# Altium PCB Modulo_Pisca_Vidros_PCB.PcbDoc
Units mil, origin at the board's own origin, x right, y up, seen from the top; angles counter-clockwise.
Board outline 2204.72 x 2775.59 mil, 2 copper layers (Top Layer, Bottom Layer); 38 components, 40 nets, 124 pads, 31 vias.
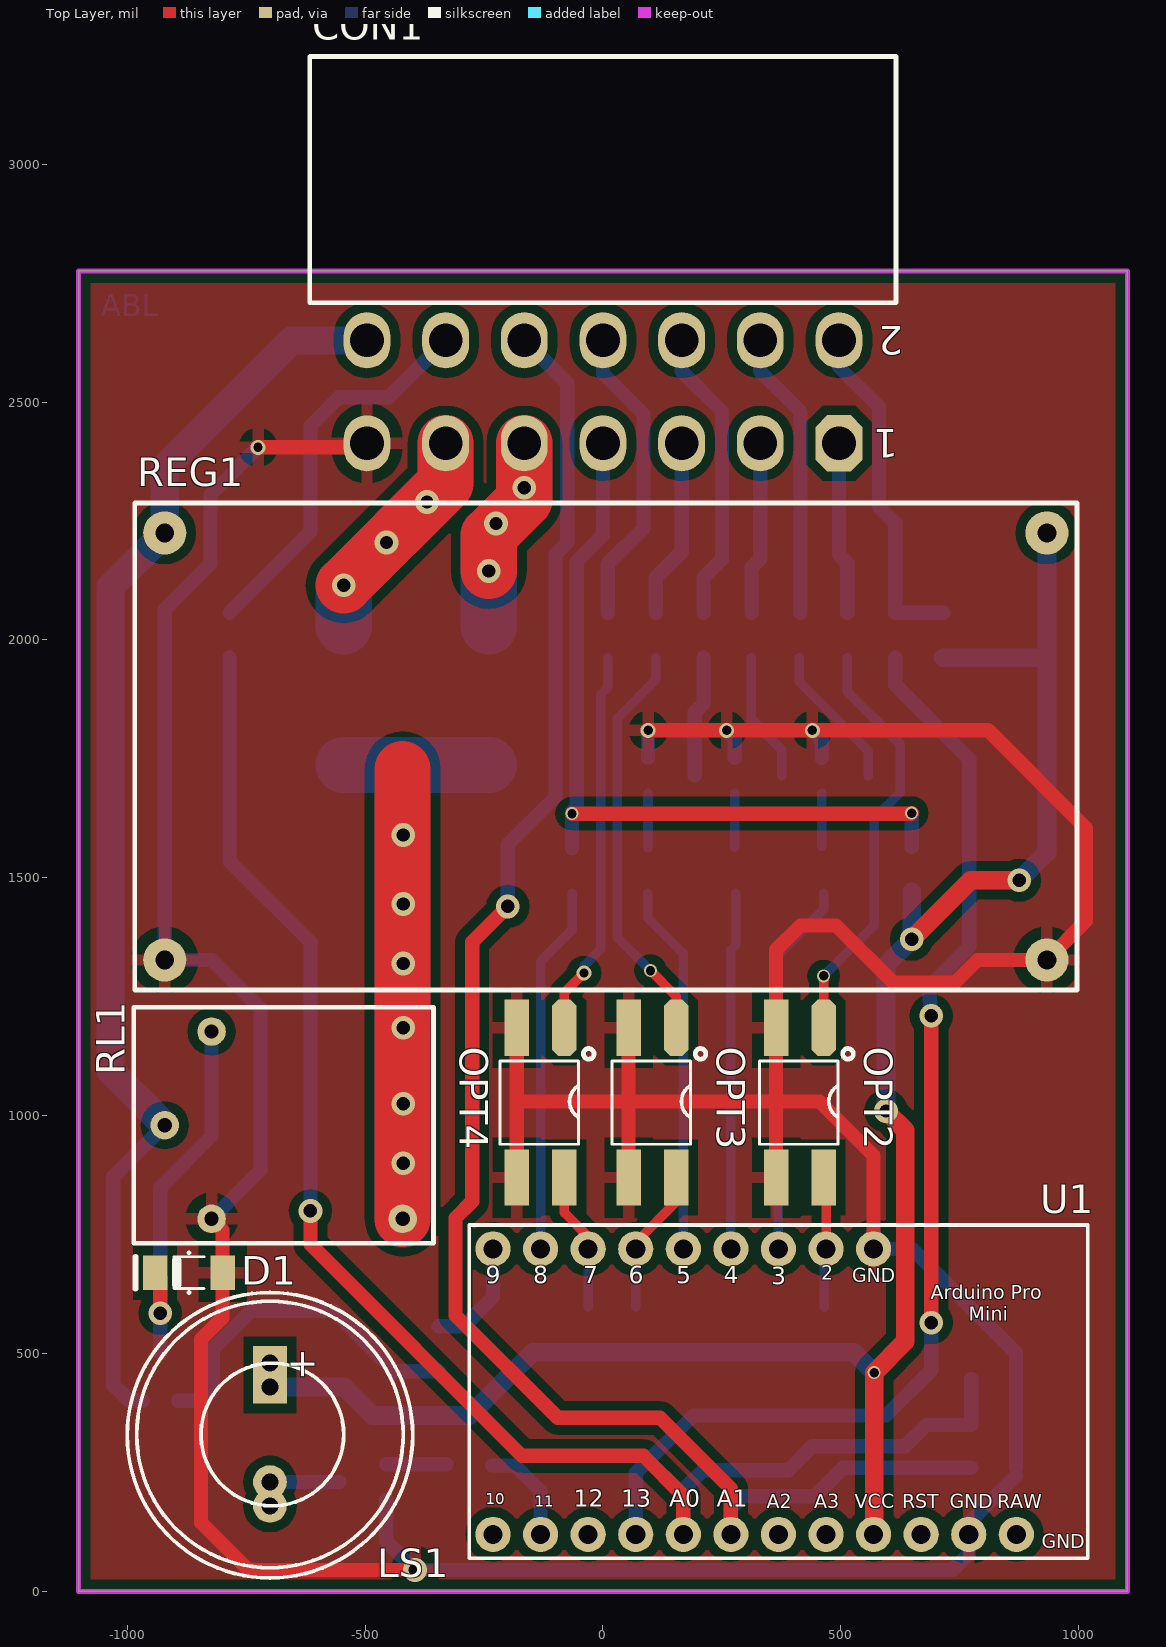
[diagram p0: Top Layer view]
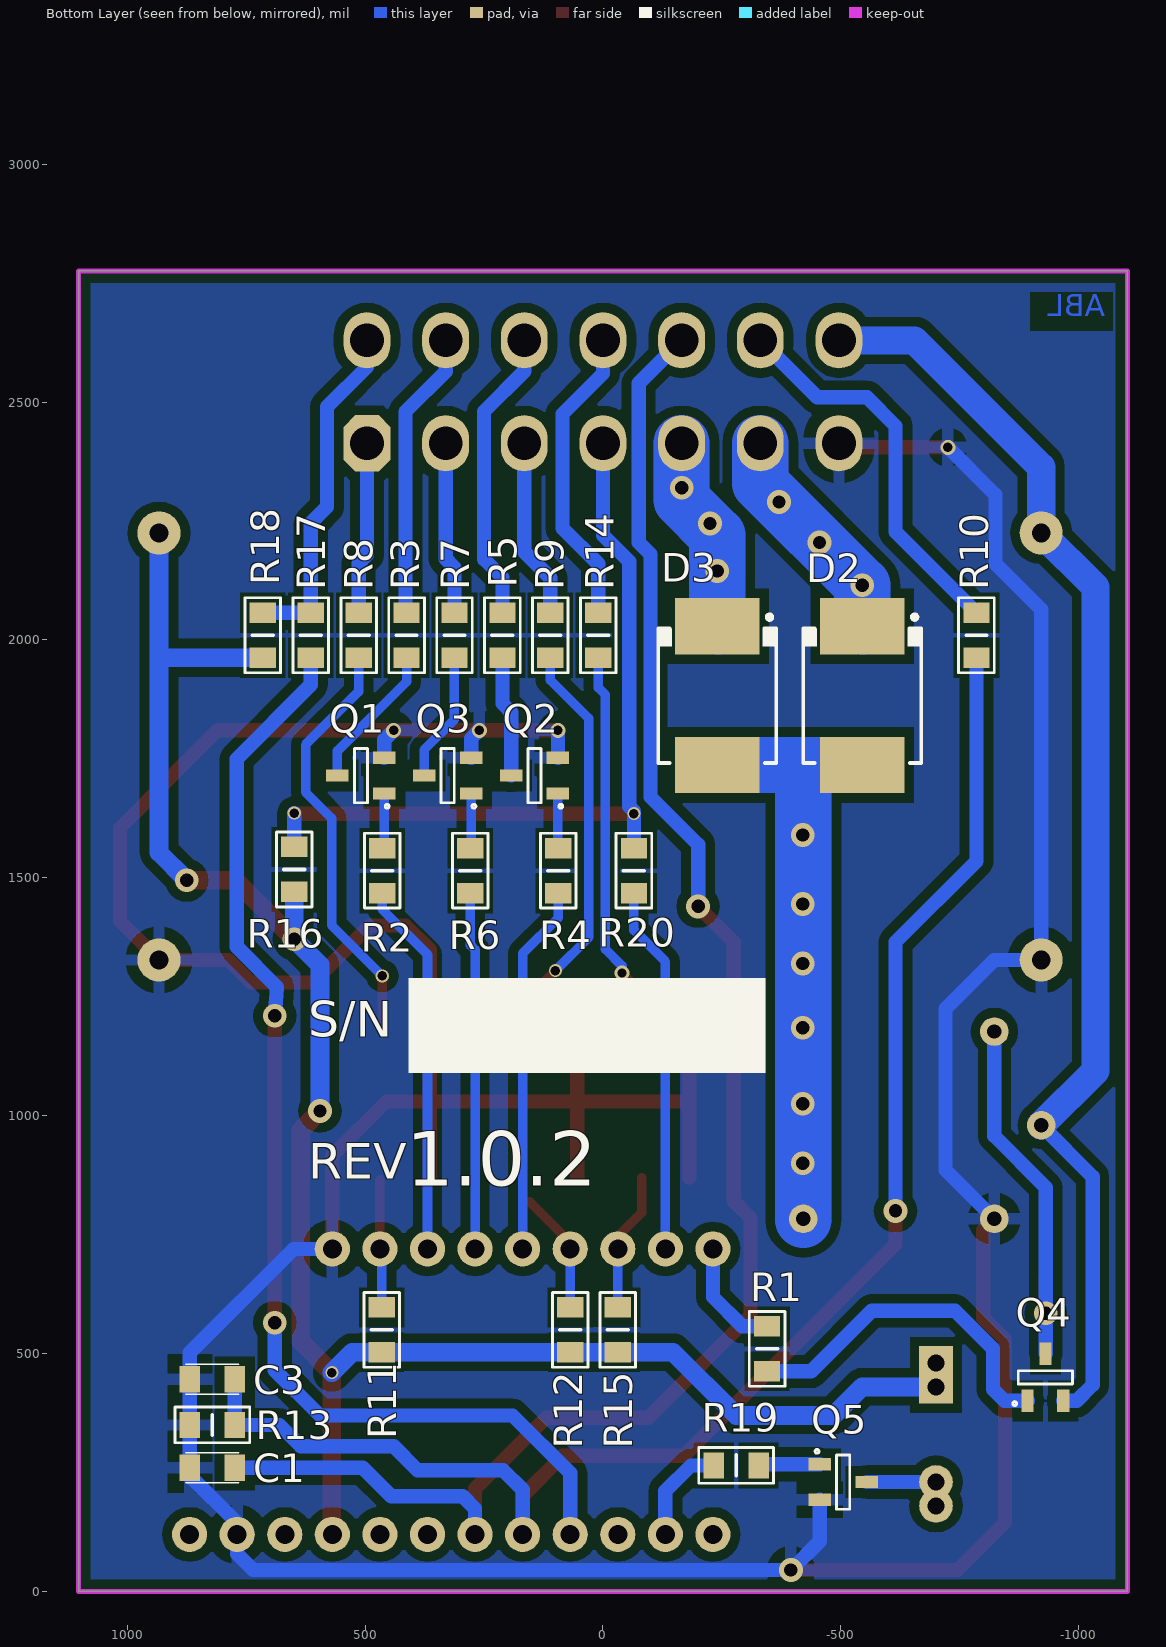
[diagram p1: Bottom Layer view, seen from below]
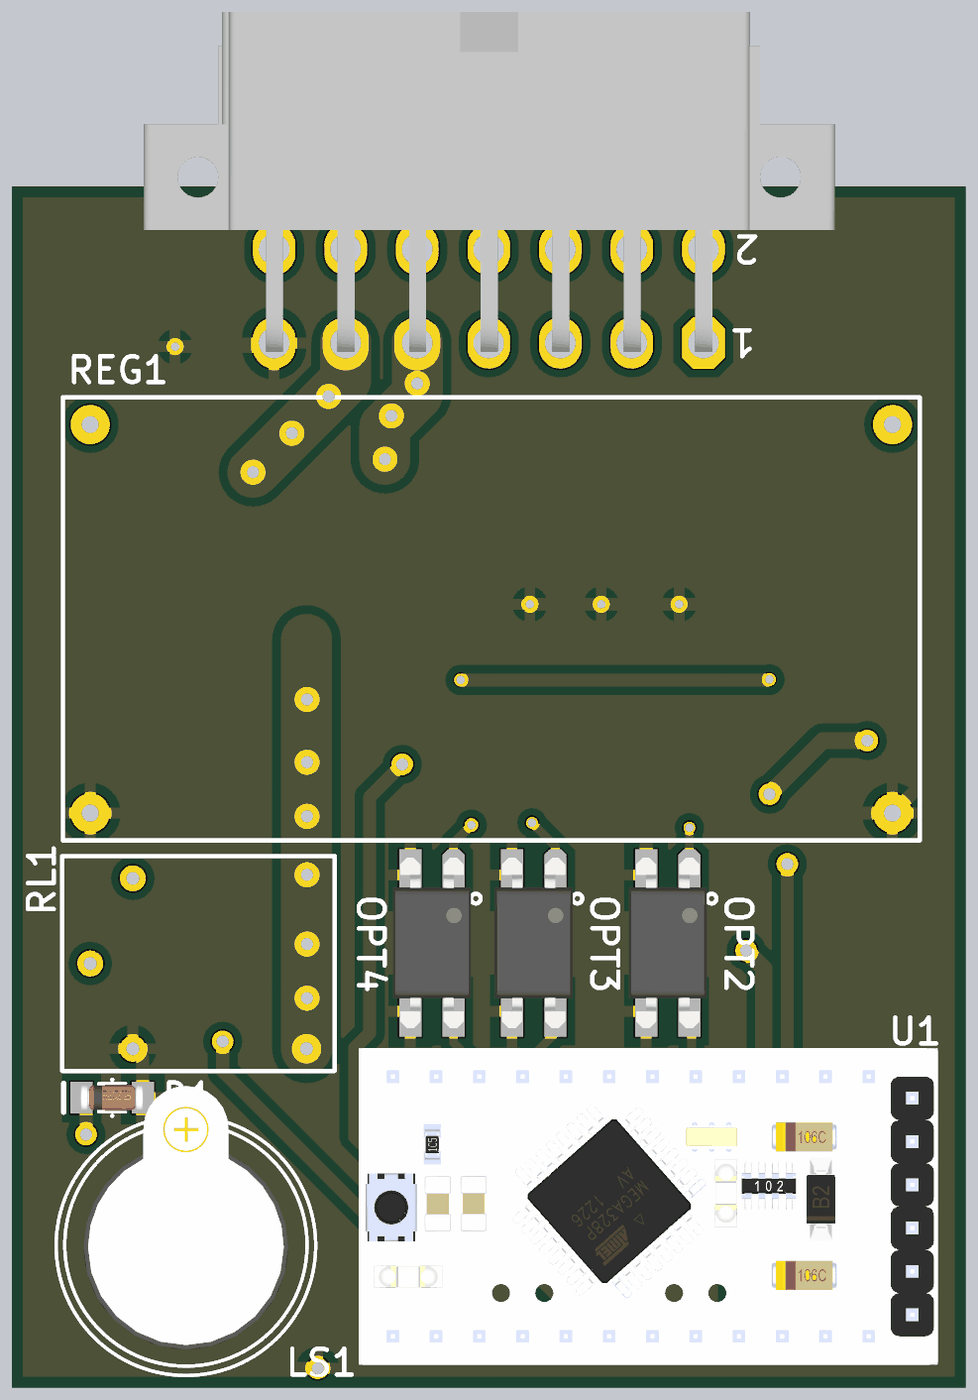
[diagram p2: 3D render of the assembled board from above, using the file's embedded part models]
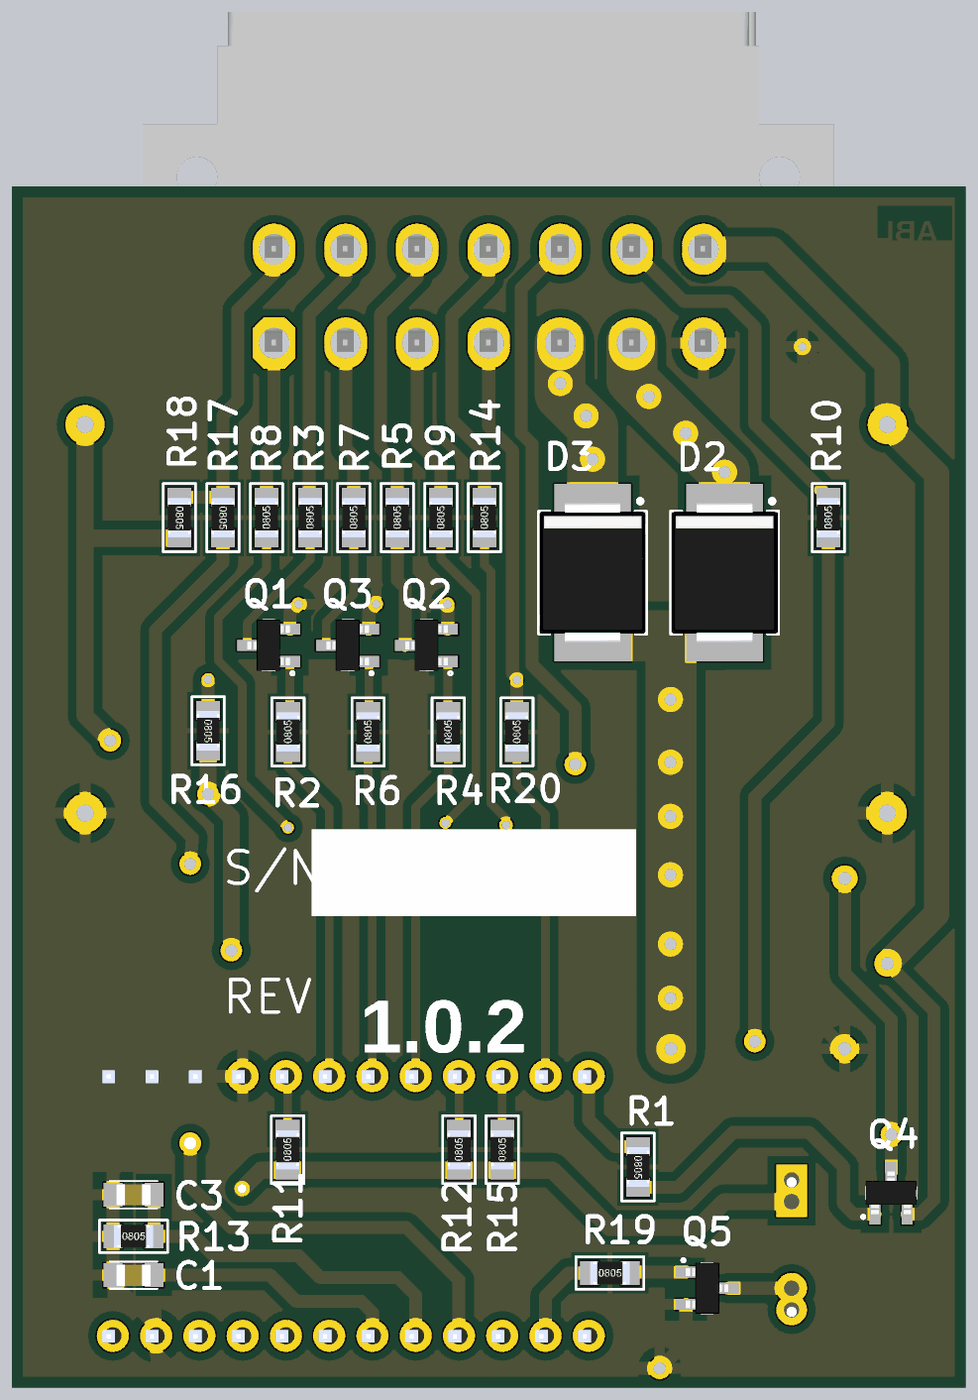
[diagram p3: 3D render of the assembled board from below, using the file's embedded part models]

## Layer stack, top to bottom
Top Solder: solder mask 0.4, Solder Resist, Dk 3.5
Top Layer: signal copper 1.4
Dielectric 1: dielectric 12.6, FR-4, Dk 4.8
Bottom Layer: signal copper 1.4
Bottom Solder: solder mask 0.4, Solder Resist, Dk 3.5

## Board outline
-1102.36,0 1102.36,0 1102.36,2775.59 -1102.36,2775.59

## Design rules (kind name [scope] priority, off if disabled: settings)
Clearance [All] p1: gap=10 except(20: Poly-Poly SMDPad-Poly Track-Poly Via-Poly Arc-Poly Fill-Poly THPad-Poly)
PlaneClearance [All] p1: clearance=30
PlaneConnect [All] p1: planeconnectstyle=Relief reliefexpansion=20 reliefentries=4 reliefconductorwidth=15 reliefairgap=25
PolygonConnect [All] p1: connectstyle=Relief reliefconductorwidth=25 reliefentries=4 polygonreliefangle="90 Angle" airgapwidth=25
RoutingVias [All] p1: holewidth=11.81 width=16.93 viastyle="Through Hole" minholewidth=11.81 minwidth=15.75 maxholewidth=393.7 maxwidth=393.7
SolderMaskExpansion [All] p1: expansion=4
UnpouredPolygon [All] p1: allowunpoured=FALSE
Width [All] p1: maxlimit=1000 minlimit=10 preferedwidth=10
27 further rules are at their usual default settings.

## Components (designator, comment, footprint, x,y, rotation, side; value= is the part's Value field where it differs from the comment)
C1 "Capacitor SMD" CAP_0805 821.14,260 r0 bottom
C3 "Capacitor SMD" CAP_0805 821.14,445.97 r180 bottom
CON1 "Minifit_14vias_90º" MFPL-14 496.06,2413.39 r180 top locked
D1 "LL4148" "SOD80C MINIMELF" -870,670 r180 top
D2 "SS34" DO214AB -545,1883.02 r90 bottom
D3 "SS34" DO214AB -240,1883.02 r90 bottom
LS1 "BUZZER" Buzzer -700,480 r0 top
OPT2 "PC817" "DIP-4 SMD" 463.86,1185 r270 top
OPT3 "PC817" "DIP-4 SMD" 153.86,1185 r270 top
OPT4 "PC817" "DIP-4 SMD" -81.14,1185 r270 top
Q1 "BC817" SOT23 508.86,1715 r270 bottom
Q2 "BC817" SOT23 143.86,1715 r270 bottom
Q3 "BC817" SOT23 326.36,1715 r270 bottom
Q4 "BC807" SOT23 -930,450 r0 bottom
Q5 "BC817" SOT23 -505,230 r90 bottom
R1 "Resistor SMD" RES_0805 -345,510 r270 bottom
R2 "Resistor SMD" RES_0805 463.86,1515 r90 bottom
R3 "Resistor SMD" RES_0805 412.86,2010 r90 bottom
R4 "Resistor SMD" RES_0805 93.86,1515 r90 bottom
R5 "Resistor SMD" RES_0805 211.43,2010 r90 bottom
R6 "Resistor SMD" RES_0805 278.86,1515 r90 bottom
R7 "Resistor SMD" RES_0805 312.14,2010 r90 bottom
R8 "Resistor SMD" RES_0805 513.57,2010 r90 bottom
R9 "Resistor SMD" RES_0805 110.71,2010 r90 bottom
R10 "Resistor SMD" RES_0805 -785,2010 r90 bottom
R11 "Resistor SMD" RES_0805 465,550 r90 bottom
R12 "Resistor SMD" RES_0805 68.86,550 r90 bottom
R13 "Resistor SMD" RES_0805 821.14,350 r180 bottom
R14 "Resistor SMD" RES_0805 10,2010 r90 bottom
R15 "Resistor SMD" RES_0805 -31.14,550 r90 bottom
R16 "Resistor SMD" RES_0805 648.86,1517.76 r270 bottom
R17 "Resistor SMD" RES_0805 614.29,2010 r270 bottom
R18 "Resistor SMD" RES_0805 715,2010 r270 bottom
R19 "Resistor SMD" RES_0805 -280,265 r180 bottom
R20 "Resistor SMD" RES_0805 -65,1515 r90 bottom
REG1 "voltage_regulator_module" 2576_Module -921.14,2225 r0 top locked
RL1 "Rele" "Rele MA1RC2 - Metaltex" -921.14,980 r270 top locked
U1 "Arduino Pro mini" "Arduino Pro Mini" 368.86,420 r270 top locked

## Footprints (in the part's own frame and the unit in brackets; to place one, negate y for a bottom-side part, rotate by r counter-clockwise, add the part's x,y. Pads: shape width x height; smd on the part's side, far side on the other; paste and mask are expansions set on the pad)
2576_Module [mm]
  round 2.3 hole 1: 1(0,0) 2(0,-22.8) 3(47.1,0) 4(47.1,-22.8)
  silkscreen extent -1.6,-24.4 48.7,1.6
"Arduino Pro Mini" [mil]
  round 74 hole 40: 1(-300,-600) 2(-300,-500) 3(-300,-400) 4(-300,-300) 5(-300,-200) 6(-300,-100) 7(-300,0) 8(-300,100) 9(-300,200) 19(300,500) 20(300,400) 21(300,300) 22(300,200) 24(300,100) 26(300,0) 27(300,-100) 28(300,-200) 29(300,-300) 30(300,-400) 31(300,-500) 32(300,-600)
  Bottom Layer lines w10: 300,-409 300,-400
  silkscreen extent -350,-650 350,650, body extent -365,-669 367,669, height 476
Buzzer [mm]
  rect 1.8x1.8 hole 0.9: 1(0,-1.27) 1(0,0)
  round 1.8 hole 0.9: 2(0,-7.62) 2(0,-6.35)
  silkscreen extent -7.62,-11.47 7.62,3.77, body extent -6,-9.94 6,5.52, height 9.65
CAP_0805 [mm]
  rect 1.1x1.4 smd: 1(-1.2,0) 2(1.2,0)
  silkscreen extent -1.4,-0.8 1.4,0.8, body extent -1,-0.62 1,0.63, height 1
"DIP-4 SMD" [mm]
  oct 3x1.3 smd: 1(0,0)
  rect 3x1.3 smd: 2(0,-2.54) 3(8,-2.54) 4(8,0)
  silkscreen extent 1.11,-3.43 6.22,1.58, body extent -1,-3.56 9,1.02, height 3.75
DO214AB [mm] "Diodo SMD package SMC - DO214AB"
  rect 3x4.5 smd: 1(-3.7,0) 2(3.7,0)
  silkscreen extent -3.6,-3.15 4.32,3.15, body extent -4.07,-3.12 4.08,3.12, height 2.98
MFPL-14 [mm]
  oct 2.5x3 hole 1.8: 1(0,0)
  oval 2.5x3 hole 1.8: 2(0,-5.5) 3(4.2,0) 4(4.2,-5.5) 5(8.4,0) 6(8.4,-5.5) 7(12.6,0) 8(12.6,-5.5) 9(16.8,0) 10(16.8,-5.5) 11(21,0) 12(21,-5.5) 13(25.2,0) 14(25.2,-5.5)
  silkscreen extent -3.05,-20.65 28.25,-7.5, body extent -7.73,-19.43 32.87,0.5, height 11.42
"Rele MA1RC2 - Metaltex" [mil]
  round 60 hole 30: 1(0,0) 2(-196.85,98.43) 3(196.85,98.43) 4(196.85,500)
  silkscreen extent -248,-65 248,565
RES_0805 [mm]
  rect 1.1x1.4 smd: 1(-1.2,0) 2(1.2,0)
  silkscreen extent -2,-0.95 2,0.95, body extent -1.15,-0.67 1.15,0.68, height 0.75
"SOD80C MINIMELF" [mm]
  rect 1.3x1.85 smd: 1(1.81,0) 2(-1.79,0)
  silkscreen extent -0.79,-1.06 2.86,1.06, body extent -1.82,-0.8 1.88,0.8, height 1.6
SOT23 [mm] "Transistor"
  rect 0.65x1.2 smd: 1(0.95,1.25) 2(-0.95,1.25) 3(0,-1.25)
  silkscreen extent -1.45,-0.35 1.74,1.5, body extent -1.5,-1.25 1.5,1.25, height 1.08

## Part data
CON1: "Minifit 14 vias 90º"
D1: "Diodo LL4148 Melf"
D2 D3: "DIODO-SCHOTTKY-SMD 3A 40V"
LS1: "DC Buzzer"
OPT2 OPT3 OPT4: "OptoAcoplador 4 terminais"
Q1 Q2 Q3 Q5: "Transistor SMD NPN"
Q4: "Transistor SMD PNP"
REG1: "Modulo Regulador de tensão 3A"
RL1: library part "Rele NA/NF"

## Via types
v1: diameter 50, hole 28, Top Layer to Bottom Layer, 21 vias
v2: diameter 27.56, hole 19.68, Top Layer to Bottom Layer, 5 vias
v3: diameter 31.5, hole 19.68, Top Layer to Bottom Layer, 5 vias

## Nets (pads, with @x,y where several pads share a name; then routed paths per layer and width w, separated by ;. In a path a pad name is that pad's centre, name@x,y a point inside that pad or via, vN(x,y) a via of type N, cw(c..) or ccw(c..) an arc to the next point about the centre after c; other vN are vias at no path point)
12V_PóS_CHAVE: CON1.5 R9.2 | length 378.8
  Bottom Layer w30: R9.2 110.71,2130.71 165.35,2185.35 CON1.5
+5V: LS1.1 R11.1 R12.1 R15.1 R16.2 R18.2 REG1.3 U1.22 | length 4034.7
  Top Layer w39.37: U1.22 570,121.14 v2(570,460) 635.54,525.54 635.54,542.12 635.31,542.35 635.31,587.65 635.54,587.88 635.54,969.46 v1(595,1010) ; v1(648.86,1371.14) 772.72,1495 v1(875,1495)
  Bottom Layer w39.37: LS1.1@-700,430 -545,430 -485,370 -280,370 -147.24,502.76 R15.1 R12.1 R11.1 527.24,502.76 v2(570,460) ; v1(595,1010) 595,1317.28 v1(648.86,1371.14) R16.2 ; R18.2 933.19,1962.76 ; v1(875,1495) 933.19,1553.19 REG1.3
+12V: CON1.14 Q4.2 REG1.1 RL1.1 | length 2679.7
  Bottom Layer w30: Q4.2 -995.79,400.79 -1029.21,434.21 -1029.21,871.93 RL1.1
  Bottom Layer w59.06: RL1.1 -1035,1093.86 -1035,2111.14 REG1.1 -921.14,2363.86 -655.08,2629.92 CON1.14
A0: C3.2 R10.1 R13.2 U1.28 | length 3238.5
  Top Layer w30: v1(-615,800) -615,730 -170,285 85,285 168.86,201.14 U1.28
  Bottom Layer w30: R10.1 -785,1535 -615,1365 v1(-615,800) ; U1.28 168.86,213.86 210,255 390,255 440,305 635,305 680,350 R13.2 C3.2
ABRE_TRAVAELETRICA: CON1.3 R7.2 | length 363.8
  Bottom Layer w30: R7.2 312.14,2152.14 330.71,2170.71 CON1.3
BOTAO_2: CON1.7 R16.1 R20.2 | length 1658.5
  Top Layer w30: v2(-65,1635) 647.72,1635 v2(648.86,1636.14)
  Bottom Layer w30: R20.2 v2(-65,1635) ; v2@-65,1640 -55,1650 -55,2165 0,2220 CON1.7 ; R16.1 v2(648.86,1636.14)
BOTãO_ABREFECHATRAVA: CON1.2 R17.1 R18.1 | length 722.4
  Bottom Layer w30: CON1.2 496.06,2573.94 580,2490 580,2280 614.29,2245.71 R17.1 R18.1
BUZZER_OPTO: OPT2.4 R11.2 U1.8 | length 263.9
  Top Layer w20: U1.8 OPT2.4@468.86,865.04
  Bottom Layer w20: R11.2 U1.8@465,716.14
D3: R2.1 U1.7 | length 787.1
  Bottom Layer w20: U1.7 368.86,1338.86 463.86,1433.86 R2.1
D4: R6.1 U1.6 | length 751.9
  Bottom Layer w20: U1.6 268.86,1348.86 278.86,1358.86 R6.1
D5: R4.1 U1.5 | length 778.8
  Bottom Layer w20: R4.1 93.86,1416.14 168.86,1341.14 U1.5
D6: OPT3.4 R12.2 U1.4 | length 256.8
  Top Layer w20: U1.4 68.86,733.86 OPT3.4@153.86,818.86
  Bottom Layer w20: R12.2 U1.4
D7: OPT4.4 R15.2 U1.3 | length 293.5
  Top Layer w20: OPT4.4 -81.14,796.14 -31.14,746.14 U1.3
  Bottom Layer w20: R15.2 U1.3
D8: R20.1 U1.2 | length 775.2
  Bottom Layer w20: U1.2 -131.14,1323.86 -65,1390 R20.1
D9: R1.1 U1.1 | length 240.5
  Bottom Layer w30: R1.1 -292.76,557.24 -231.14,618.86 U1.1
D11: R19.1 U1.31 | length 215.1
  Bottom Layer w30: R19.1 -185,265 -131.14,211.14 U1.31
D13: R17.2 U1.29 | length 2437.2
  Top Layer w30: v1(690,565) v1(690,1210)
  Bottom Layer w30: U1.29 68.86,248.86 190,370 595,370 690,465 v1(690,565) ; R17.2 614.29,1905.71 770,1750 770,1355 685,1270 v1(690,1210)
ENTRADA_BUZZER: CON1.1 R8.2 | length 363.4
  Bottom Layer w30: CON1.1 496.06,2178.94 513.57,2161.43 R8.2
ENTRADA_COMBUSTIVEL: CON1.12 R10.2 | length 822
  Bottom Layer w30: R10.2 -615,2227.24 -615,2450 -555,2510 -450.63,2510 CON1.12
FECHA_TRAVAELETRICA: CON1.6 R5.2 | length 623.7
  Bottom Layer w30: CON1.6 165.35,2564.65 250,2480 250,2169.96 211.43,2131.39 R5.2
GND: C1.2 C3.1 CON1.13 D1.2 OPT2.2 OPT2.3 OPT3.2 OPT3.3 OPT4.2 OPT4.3 Q1.2 Q2.2 Q3.2 Q5.2 R13.1 REG1.2 REG1.4 RL1.3 U1.9 U1.20 | length 9682.1
  Top Layer w30: -799.53,759.96 D1.2 -799.53,575.47 -845,530 -845,145 -745,45 v1(-395,45) ; v3(-725,2405) CON1.13@-504.45,2405 ; OPT4.3 -181.14,1030 ; OPT4.2 -181.14,1030 ; OPT3.3 53.86,1030 ; OPT3.2 53.86,1030 ; v3(95,1810) v3(260,1810) ; v3@265,1810 v3(440,1810) 810,1810 1015,1605 1015,1409.17 REG1.4 787.36,1327.36 740,1280 610,1280 490,1400 415,1400 363.86,1348.86 OPT2.2 363.86,1030 ; OPT2.3 363.86,1030 ; U1.9 568.86,916.14 455,1030 363.86,1030 ; -181.14,1030 53.86,1030 ; 53.86,1030 363.86,1030
  Bottom Layer w30: RL1.3 -720,885.87 -720,1225 -822.36,1327.36 REG1.2 -921.14,2063.86 -825,2160 -825,2305 v3(-725,2405) ; Q5.2 -455.79,105.79 v1(-395,45) 735,45 768.86,78.86 U1.20 768.86,143.86 C1.2@868.39,243.39 ; Q2.2 94.65,1809.65 v3(95,1810) ; v3(260,1810) 277.15,1792.85 Q3.2 ; v3(440,1810) 459.65,1790.35 Q1.2 ; U1.9 650,720 868.39,501.61 C3.1 R13.1 C1.2
NetD1_1: D1.1 Q4.3 RL1.2 | length 796.1
  Top Layer w30: v1(-930.79,585) D1.1@-930.79,659.53
  Bottom Layer w30: Q4.3@-930.79,500 v1(-930.79,585) -930.79,849.21 -822.72,957.28 RL1.2
NetD2_1: D2.1 D3.1 RL1.4 | length 2195.7
  Top Layer w118.11: RL1.4 -421.14,1728.49
  Bottom Layer w118.11: D2.1 D3.1 ; RL1.4@-421.14,781.3 -421.14,1726.64
  other v1: -420,900 -420,1025 -420,1185 -420,1320 -420,1445 -420,1590
NetLS1_2: LS1.2 Q5.3 | length 145.8
  Bottom Layer w30: LS1.2@-700,230 Q5.3
NetOPT2_1: OPT2.1 R8.1 | length 890.7
  Top Layer w20: OPT2.1 v2(463.86,1293.86)
  Bottom Layer w20: v2(463.86,1293.86) 570,1400 570,1625 625,1680 625,1780 513.57,1891.43 R8.1
NetOPT3_1: OPT3.1 R9.1 | length 862.5
  Top Layer w20: v2(100,1305) 153.86,1251.14 OPT3.1
  Bottom Layer w20: v2(100,1305) 30,1375 30,1835 110.71,1915.71 R9.1
NetOPT4_1: OPT4.1 R14.1 | length 815.5
  Top Layer w20: OPT4.1 -81.14,1258.86 v3(-40,1300)
  Bottom Layer w20: v3(-40,1300) -40,1315 -5,1350 -5,1885 10,1900 R14.1
NetQ1_1: Q1.1 R2.2 | length 111.1
  Bottom Layer w20: R2.2@459.65,1566.46 Q1.1
NetQ1_3: Q1.3 R3.1 | length 307.9
  Bottom Layer w20: R3.1 412.86,1912.14 558.07,1766.93 Q1.3
NetQ2_1: Q2.1 R4.2 | length 114.6
  Bottom Layer w20: R4.2@94.65,1563.03 Q2.1
NetQ2_3: Q2.3 R5.1 | length 255.4
  Bottom Layer w30: Q2.3 193.07,1848.07 211.43,1866.43 R5.1
NetQ3_1: Q3.1 R6.2 | length 113.6
  Bottom Layer w20: R6.2@277.15,1563.96 Q3.1
NetQ3_3: Q3.3 R7.1 | length 274
  Bottom Layer w20: R7.1 312.14,1832.86 375.57,1769.43 Q3.3
NetQ4_1: Q4.1 R1.2 | length 728.5
  Bottom Layer w30: Q4.1 -844.21,400.79 -820,425 -820,510 -740,590 -565,590 -437.76,462.76 R1.2
NetQ5_1: Q5.1 R19.2 | length 126.1
  Bottom Layer w30: Q5.1 R19.2@-329.65,267.4
SAIDA_COMBUSTIVEL: C1.1 CON1.10 U1.27 | length 3605
  Top Layer w30: v1(-200,1440) -275,1365 -275,820 -310,785 -310,580 -95,365 120,365 268.86,216.14 U1.27
  Bottom Layer w30: v1(-200,1440) -200,1570 -100,1670 -100,2180 -75,2205 -75,2539.57 CON1.10 ; U1.27 268.86,173.86 295,200 445,200 505,260 C1.1
SETA_DIREITA: CON1.11 D2.2 | length 860.6
  Top Layer w118.11: v1(-545,2115) -330.71,2329.29 CON1.11
  Bottom Layer w118.11: D2.2 v1(-545,2115) -330.71,2329.29 CON1.11
  other v1: -455,2205 -370,2290
SETA_ESQUERDA: CON1.9 D3.2 | length 714.9
  Top Layer w118.11: v1(-240,2145) -240,2220 -165.35,2294.65 CON1.9
  Bottom Layer w118.11: D3.2 -240,2220 -165.35,2294.65 CON1.9
  other v1: -225,2245 -165.35,2320
SOBE_VIDRO: CON1.4 R3.2 | length 607.6
  Bottom Layer w30: CON1.4 330.71,2564.29 415,2480 R3.2@415,2057.24
VERIFICA_LANTERNA: CON1.8 R14.2 | length 639
  Bottom Layer w30: CON1.8 0,2560 85,2475 85,2235 10,2160 R14.2
pads on no net: U1.19 U1.21 U1.24 U1.26 U1.30 U1.32

## Polygon pours and split planes (outlines as drawn)
GND on Bottom Layer "Bottom Layer-No Net" (solid, remove dead copper, pour order 2): -1116.14,0 1116.14,0 1116.14,2775.59 -1116.14,2775.59
GND on Top Layer "Bottom Layer-No Net" (solid, remove dead copper, pour order 2): -1116.14,0 1116.14,0 1116.14,2775.59 -1116.14,2775.59

## Keep-outs
Keep-Out Layer:
  the board outline again, w10

## Other copper
Bottom Layer:
  text "ABL" at -1056.14,2665 h78.74

## Silkscreen, mask and mechanical layers (free items; w line width, h text height)
Bottom Overlay:
  rectangle: -341.14,1090 408.86,1290
  text "S/N" at 619.86,1165.5 h75
  text "REV" at 619.86,868 h75
  text "1.0.2" at 413.86,815 h196.85
Mechanical 1:
  lines w10: -986.14,1266.38 -986.14,2290 994.17,2290 994.17,1266.38 -986.14,1266.38
Keep-Out Panel:
  the board outline again, w10

## Dimensions
1102.36,0 to -1102.36,0 on Mechanical 1
1102.36,0 to 1102.36,2775.59 on Mechanical 1

## Text inside footprints (layer, text, board x,y; h text height)
CON1: Top Overlay "1" at 621.07,2443.38 h60 r180; Top Overlay "2" at 631.06,2659.91 h60 r180
LS1: Top Overlay "+" at -656.69,511.1 h59.06 r270
U1: Top Overlay "Mini" at 768.86,560 h49.6; Top Overlay "Arduino Pro" at 688.86,605 h49.6; Top Overlay "GND" at 921.95,81.66 h49.6; Top Overlay "10" at -246.14,175 h39.37; Top Overlay "11" at -143.36,169.16 h39.37; Top Overlay "12" at -61.14,165 h62; Top Overlay "13" at 38.86,165 h62; Top Overlay "A0" at 138.86,165 h62; Top Overlay "A1" at 238.86,165 h62; Top Overlay "A2" at 343.86,165 h49.6; Top Overlay "A3" at 443.86,165 h49.6; Top Overlay "VCC" at 528.86,165 h49.6; Top Overlay "RST" at 628.86,165 h49.6; Top Overlay "GND" at 728.86,165 h49.6; Top Overlay "RAW" at 828.86,165 h49.6; Top Overlay "GND" at 523.86,640 h49.6; Top Overlay "2" at 458.86,646 h49.6; Top Overlay "3" at 353.86,633 h62; Top Overlay "4" at 253.86,635 h62; Top Overlay "5" at 153.86,635 h62; Top Overlay "6" at 53.86,635 h62; Top Overlay "7" at -41.14,635 h62; Top Overlay "8" at -146.14,635 h62; Top Overlay "9" at -246.14,635 h62